# Allegro board S071AA-0413-20260427.brd (continued)
## Routing (per net, layer and track width the routed paths; a pad name or vN(x,y) marks a point on that pad's centre or on a via; arc(x,y) is an arc through that point) (continued)
; D427.B2 127.27,377.65 ; D427.B2 127.27,379.27 ; 129.81,359.87 CSDPS426.C1 ; CSDPS426.C1 130.62,360.68 ; CSDPS426.C1 129.81,361.49 ; CSDPS426.C1 129,360.68 ; 243.3,60.96 D107.B4 ; D107.B4 244.11,60.15 ; D107.B4 244.11,61.77 ; D107.B4 244.92,60.96 ; D231.A11 31.56,375.92 ; D231.A11 30.75,375.11 ; D231.A11 29.94,375.92 ; D231.A11 30.75,376.73 ; D107.B1 237.3,58.42 ; D107.B1 236.49,59.23 ; D107.B1 236.49,57.61 ; D107.B1 235.68,58.42 ; 16.07,348.29 UHC230.G4_12 ; UHC230.G4_12 16.88,347.48 ; UHC230.G4_12 17.69,348.29 ; UHC230.G4_12 16.88,349.1 ; 266.97,77.93 D106.B13 ; D106.B13 266.97,79.55 ; D106.B13 267.78,78.74 ; D106.B13 266.16,78.74 ; 256,350.52 D110.B9 ; D110.B9 256.81,349.71 ; D110.B9 256.81,351.33 ; D110.B9 257.62,350.52 ; 187.42,73.66 D102.A11 ; D102.A11 188.23,72.85 ; D102.A11 189.04,73.66 ; D102.A11 188.23,74.47 ; 48.17,365.45 UHC430.G2_1 ; UHC430.G2_1 48.98,366.26 ; UHC430.G2_1 49.79,365.45 ; UHC430.G2_1 48.98,364.64 ; D112.B6 264.43,389.43 ; D112.B6 263.62,388.62 ; D112.B6 265.24,388.62 ; D112.B6 264.43,387.81 ; D227.B6 117.11,369.11 ; D227.B6 116.3,368.3 ; D227.B6 117.92,368.3 ; D227.B6 117.11,367.49 ; 175.53,39.83 D104.B6 ; D104.B6 176.34,40.64 ; D104.B6 174.72,40.64 ; D104.B6 175.53,41.45 ; D108.B8 254.27,41.45 ; D108.B8 255.08,40.64 ; D108.B8 253.46,40.64 ; D108.B8 254.27,39.83 ; D232.B4 48.53,389.43 ; D232.B4 47.72,388.62 ; D232.B4 48.53,387.81 ; D232.B4 49.34,388.62 ; D105.B2 239.03,102.41 ; D105.B2 238.22,101.6 ; D105.B2 239.84,101.6 ; D105.B2 239.03,100.79 ; D427.B11 104.41,381.81 ; D427.B11 103.6,381 ; D427.B11 104.41,380.19 ; D427.B11 105.22,381 ; 190.77,372.57 D115.A6 ; D115.A6 189.96,373.38 ; D115.A6 190.77,374.19 ; D115.A6 191.58,373.38 ; D432.B10 34.1,398.78 ; D432.B10 33.29,399.59 ; D432.B10 32.48,398.78 ; D432.B10 33.29,397.97 ; CSDPS429.B12 29.02,342.9 ; CSDPS429.B12 27.4,342.9 ; CSDPS429.B12 28.21,343.71 ; CSDPS429.B12 28.21,342.09 ; D119.A10 38.37,56.69 ; D119.A10 37.56,55.88 ; D119.A10 39.18,55.88 ; D119.A10 38.37,55.07 ; UHC430.G2_5 45.53,364.51 ; UHC430.G2_5 46.34,363.7 ; UHC430.G2_5 45.53,362.89 ; UHC430.G2_5 44.72,363.7 ; 269.51,387.81 D112.B4 ; D112.B4 268.7,388.62 ; D112.B4 270.32,388.62 ; D112.B4 269.51,389.43 ; 273.78,353.06 D110.A2 ; D110.A2 274.59,352.25 ; D110.A2 274.59,353.87 ; D110.A2 275.4,353.06 ; D109.B1 277.94,330.2 ; D109.B1 277.13,329.39 ; D109.B1 276.32,330.2 ; D109.B1 277.13,331.01 ; D124.B15 124.73,38.91 ; D124.B15 125.54,38.1 ; D124.B15 124.73,37.29 ; D124.B15 123.92,38.1 ; 29.94,33.02 D120.A7 ; D120.A7 30.75,33.83 ; D120.A7 31.56,33.02 ; D120.A7 30.75,32.21 ; 122.19,331.93 CSDPS225.B4 ; CSDPS225.B4 121.38,332.74 ; CSDPS225.B4 122.19,333.55 ; CSDPS225.B4 123,332.74 ; D122.A11 114.57,74.47 ; D122.A11 114.57,72.85 ; D122.A11 113.76,73.66 ; D122.A11 115.38,73.66 ; 162.83,93.17 D101.A1 ; D101.A1 162.83,94.79 ; D101.A1 163.64,93.98 ; D101.A1 162.02,93.98 ; 30.75,385.27 D431.A11 ; D431.A11 29.94,386.08 ; D431.A11 30.75,386.89 ; D431.A11 31.56,386.08 ; D106.A11 262.7,73.66 ; D106.A11 261.89,74.47 ; D106.A11 261.08,73.66 ; D106.A11 261.89,72.85 ; D108.A13 267.78,33.02 ; D108.A13 266.97,33.83 ; D108.A13 266.16,33.02 ; D108.A13 266.97,32.21 ; D116.A8 185.69,394.51 ; D116.A8 186.5,393.7 ; D116.A8 185.69,392.89 ; D116.A8 184.88,393.7 ; D114.B11 178.88,350.52 ; D114.B11 178.07,351.33 ; D114.B11 178.07,349.71 ; D114.B11 177.26,350.52 ; 20.59,385.27 D431.A15 ; D431.A15 19.78,386.08 ; D431.A15 20.59,386.89 ; D431.A15 21.4,386.08 ; D107.B8 255.08,60.96 ; D107.B8 254.27,60.15 ; D107.B8 254.27,61.77 ; D107.B8 253.46,60.96 ; 121.38,378.46 D427.B4 ; D427.B4 123,378.46 ; D427.B4 122.19,377.65 ; D427.B4 122.19,379.27 ; CSDPS429.C15 21.4,340.36 ; CSDPS429.C15 20.59,339.55 ; CSDPS429.C15 19.78,340.36 ; CSDPS429.C15 20.59,341.17 ; 23.13,392.89 D232.A14 ; D232.A14 23.94,393.7 ; D232.A14 23.13,394.51 ; D232.A14 22.32,393.7 ; D228.A2 127.27,394.51 ; D228.A2 128.08,393.7 ; D228.A2 127.27,392.89 ; D228.A2 126.46,393.7 ; UHC430.G2_4 47.83,364.51 ; UHC430.G2_4 47.83,362.89 ; UHC430.G2_4 48.64,363.7 ; UHC430.G2_4 47.02,363.7 ; D431.B2 53.61,379.27 ; D431.B2 53.61,377.65 ; D431.B2 54.42,378.46 ; D431.B2 52.8,378.46 ; D231.B11 30.75,371.65 ; D231.B11 30.75,370.03 ; D231.B11 31.56,370.84 ; D231.B11 29.94,370.84 ; D227.B3 125.54,370.84 ; D227.B3 124.73,371.65 ; D227.B3 124.73,370.03 ; D227.B3 123.92,370.84 ; D227.A16 91.71,374.19 ; D227.A16 92.52,373.38 ; D227.A16 91.71,372.57 ; D227.A16 90.9,373.38 ; 261.08,19.05 DPS1.C11 ; DPS1.C11 261.89,19.86 ; DPS1.C11 262.7,19.05 ; DPS1.C11 261.89,18.24 ; 200.12,388.62 D116.B2 ; D116.B2 200.93,389.43 ; D116.B2 200.93,387.81 ; D116.B2 201.74,388.62 ; D104.A11 189.04,33.02 ; D104.A11 188.23,32.21 ; D104.A11 188.23,33.83 ; D104.A11 187.42,33.02 ; D110.A15 241.57,356.41 ; D110.A15 242.38,355.6 ; D110.A15 240.76,355.6 ; D110.A15 241.57,354.79 ; 94.25,359.87 CSDPS426.C15 ; CSDPS426.C15 94.25,361.49 ; CSDPS426.C15 93.44,360.68 ; CSDPS426.C15 95.06,360.68 ; D103.A10 186.5,55.88 ; D103.A10 184.88,55.88 ; D103.A10 185.69,55.07 ; D103.A10 185.69,56.69 ; UHC230.G4_10 15.73,350.85 ; UHC230.G4_10 14.92,350.04 ; UHC230.G4_10 15.73,349.23 ; UHC230.G4_10 16.54,350.04 ; 271.24,370.84 D111.B3 ; D111.B3 272.05,370.03 ; D111.B3 272.86,370.84 ; D111.B3 272.05,371.65 ; D120.B6 28.21,41.45 ; D120.B6 27.4,40.64 ; D120.B6 28.21,39.83 ; D120.B6 29.02,40.64 ; 45.99,370.03 D231.B5 ; D231.B5 46.8,370.84 ; D231.B5 45.99,371.65 ; D231.B5 45.18,370.84 ; D116.A13 172.99,397.05 ; D116.A13 173.8,396.24 ; D116.A13 172.18,396.24 ; D116.A13 172.99,395.43 ; 202.66,330.2 D113.B1 ; D113.B1 203.47,329.39 ; D113.B1 204.28,330.2 ; D113.B1 203.47,331.01 ; D105.B14 270.32,101.6 ; D105.B14 268.7,101.6 ; D105.B14 269.51,100.79 ; D105.B14 269.51,102.41 ; D111.A3 272.05,376.73 ; D111.A3 272.05,375.11 ; D111.A3 271.24,375.92 ; D111.A3 272.86,375.92 ; 99.33,405.59 D428.A13 ; D428.A13 99.33,407.21 ; D428.A13 98.52,406.4 ; D428.A13 100.14,406.4 ; 203.47,354.79 D114.A1 ; D114.A1 204.28,355.6 ; D114.A1 202.66,355.6 ; D114.A1 203.47,356.41 ; D124.A9 110.3,33.02 ; D124.A9 109.49,33.83 ; D124.A9 109.49,32.21 ; D124.A9 108.68,33.02 ; D228.B2 127.27,389.43 ; D228.B2 128.08,388.62 ; D228.B2 126.46,388.62 ; D228.B2 127.27,387.81 ; 96.79,75.39 D122.A4 ; D122.A4 97.6,76.2 ; D122.A4 95.98,76.2 ; D122.A4 96.79,77.01 ; D428.A12 102.68,403.86 ; D428.A12 101.87,403.05 ; D428.A12 101.06,403.86 ; D428.A12 101.87,404.67 ; D431.A7 41.72,386.08 ; D431.A7 40.1,386.08 ; D431.A7 40.91,386.89 ; D431.A7 40.91,385.27 ; 264.43,367.49 D111.B6 ; D111.B6 264.43,369.11 ; D111.B6 263.62,368.3 ; D111.B6 265.24,368.3 ; 15.51,72.85 D118.A1 ; D118.A1 16.32,73.66 ; D118.A1 14.7,73.66 ; D118.A1 15.51,74.47 ; 37.56,368.3 D231.B8 ; D231.B8 38.37,367.49 ; D231.B8 38.37,369.11 ; D231.B8 39.18,368.3 ; CSDPS229.B4 48.53,333.55 ; CSDPS229.B4 49.34,332.74 ; CSDPS229.B4 48.53,331.93 ; CSDPS229.B4 47.72,332.74 ; D231.A9 36.64,375.92 ; D231.A9 35.83,375.11 ; D231.A9 35.83,376.73 ; D231.A9 35.02,375.92 ; D105.B5 247.46,99.06 ; D105.B5 245.84,99.06 ; D105.B5 246.65,99.87 ; D105.B5 246.65,98.25 ; CSDPS425.C15 94.25,341.17 ; CSDPS425.C15 94.25,339.55 ; CSDPS425.C15 93.44,340.36 ; CSDPS425.C15 95.06,340.36 ; 53.61,342.09 CSDPS429.B2 ; CSDPS429.B2 52.8,342.9 ; CSDPS429.B2 54.42,342.9 ; CSDPS429.B2 53.61,343.71 ; 241.57,349.71 D110.B15 ; D110.B15 241.57,351.33 ; D110.B15 242.38,350.52 ; D110.B15 240.76,350.52 ; UHC230.G3_6 49.79,351.79 ; UHC230.G3_6 48.98,350.98 ; UHC230.G3_6 48.98,352.6 ; UHC230.G3_6 48.17,351.79 ; 127.27,372.57 D227.A2 ; D227.A2 127.27,374.19 ; D227.A2 126.46,373.38 ; D227.A2 128.08,373.38 ; 29.94,401.32 D432.B11 ; D432.B11 30.75,400.51 ; D432.B11 30.75,402.13 ; D432.B11 31.56,401.32 ; 200.12,55.88 D103.A16 ; D103.A16 200.93,56.69 ; D103.A16 200.93,55.07 ; D103.A16 201.74,55.88 ; D115.A3 198.39,376.73 ; D115.A3 197.58,375.92 ; D115.A3 199.2,375.92 ; D115.A3 198.39,375.11 ; 246.65,375.11 D111.A13 ; D111.A13 245.84,375.92 ; D111.A13 246.65,376.73 ; D111.A13 247.46,375.92 ; 180.61,326.85 D113.B10 ; D113.B10 181.42,327.66 ; D113.B10 179.8,327.66 ; D113.B10 180.61,328.47 ; 122.19,60.15 D123.B14 ; D123.B14 122.19,61.77 ; D123.B14 123,60.96 ; D123.B14 121.38,60.96 ; 108.68,350.52 CSDPS226.C9 ; CSDPS226.C9 109.49,351.33 ; CSDPS226.C9 109.49,349.71 ; CSDPS226.C9 110.3,350.52 ; 200.93,367.49 D115.B2 ; D115.B2 200.93,369.11 ; D115.B2 201.74,368.3 ; D115.B2 200.12,368.3 ; 254.27,80.47 D106.B8 ; D106.B8 254.27,82.09 ; D106.B8 255.08,81.28 ; D106.B8 253.46,81.28 ; D231.B14 23.13,369.11 ; D231.B14 23.13,367.49 ; D231.B14 23.94,368.3 ; D231.B14 22.32,368.3 ; D103.B13 193.31,59.23 ; D103.B13 193.31,57.61 ; D103.B13 194.12,58.42 ; D103.B13 192.5,58.42 ; D112.A15 241.57,397.05 ; D112.A15 240.76,396.24 ; D112.A15 242.38,396.24 ; D112.A15 241.57,395.43 ; CSDPS425.C11 104.41,341.17 ; CSDPS425.C11 105.22,340.36 ; CSDPS425.C11 103.6,340.36 ; CSDPS425.C11 104.41,339.55 ; D231.A5 45.99,376.73 ; D231.A5 45.18,375.92 ; D231.A5 46.8,375.92 ; D231.A5 45.99,375.11 ; 106.14,40.64 D124.B8 ; D124.B8 106.95,39.83 ; D124.B8 107.76,40.64 ; D124.B8 106.95,41.45 ; 250.92,99.06 D105.B7 ; D105.B7 251.73,99.87 ; D105.B7 251.73,98.25 ; D105.B7 252.54,99.06 ; 47.02,360.2 UHC430.G2_9 ; UHC430.G2_9 47.83,359.39 ; UHC430.G2_9 47.83,361.01 ; UHC430.G2_9 48.64,360.2 ; D432.B1 56.96,401.32 ; D432.B1 55.34,401.32 ; D432.B1 56.15,402.13 ; D432.B1 56.15,400.51 ; 172.18,78.74 D102.B5 ; D102.B5 172.99,79.55 ; D102.B5 173.8,78.74 ; D102.B5 172.99,77.93 ; D106.A2 239.84,76.2 ; D106.A2 239.03,77.01 ; D106.A2 239.03,75.39 ; D106.A2 238.22,76.2 ; 113.76,53.34 D123.A11 ; D123.A11 114.57,54.15 ; D123.A11 115.38,53.34 ; D123.A11 114.57,52.53 ; 248.38,96.52 D105.A6 ; D105.A6 249.19,95.71 ; D105.A6 250,96.52 ; D105.A6 249.19,97.33 ; D115.A14 171.26,373.38 ; D115.A14 170.45,372.57 ; D115.A14 169.64,373.38 ; D115.A14 170.45,374.19 ; D102.B15 198.39,79.55 ; D102.B15 199.2,78.74 ; D102.B15 198.39,77.93 ; D102.B15 197.58,78.74 ; D431.A14 23.94,383.54 ; D431.A14 23.13,384.35 ; D431.A14 23.13,382.73 ; D431.A14 22.32,383.54 ; 27.4,383.54 D431.A12 ; D431.A12 28.21,384.35 ; D431.A12 28.21,382.73 ; D431.A12 29.02,383.54 ; 101.87,367.49 D227.B12 ; D227.B12 101.87,369.11 ; D227.B12 101.06,368.3 ; D227.B12 102.68,368.3 ; D428.A10 107.76,403.86 ; D428.A10 106.95,404.67 ; D428.A10 106.14,403.86 ; D428.A10 106.95,403.05 ; 101.87,392.89 D228.A12 ; D228.A12 101.87,394.51 ; D228.A12 101.06,393.7 ; D228.A12 102.68,393.7 ; 198.39,32.21 D104.A15 ; D104.A15 198.39,33.83 ; D104.A15 199.2,33.02 ; D104.A15 197.58,33.02 ; D110.B14 244.11,348.79 ; D110.B14 244.11,347.17 ; D110.B14 244.92,347.98 ; D110.B14 243.3,347.98 ; D115.B15 168.72,370.84 ; D115.B15 167.91,371.65 ; D115.B15 167.91,370.03 ; D115.B15 167.1,370.84 ; D228.B5 120.46,391.16 ; D228.B5 119.65,390.35 ; D228.B5 118.84,391.16 ; D228.B5 119.65,391.97 ; D232.A11 30.75,397.05 ; D232.A11 29.94,396.24 ; D232.A11 30.75,395.43 ; D232.A11 31.56,396.24 ; 202.66,391.16 D116.B1 ; D116.B1 204.28,391.16 ; D116.B1 203.47,390.35 ; D116.B1 203.47,391.97 ; 124.73,380.19 D427.B3 ; D427.B3 125.54,381 ; D427.B3 124.73,381.81 ; D427.B3 123.92,381 ; 254.27,331.93 D109.A10 ; D109.A10 253.46,332.74 ; D109.A10 255.08,332.74 ; D109.A10 254.27,333.55 ; D227.A11 105.22,375.92 ; D227.A11 103.6,375.92 ; D227.A11 104.41,375.11 ; D227.A11 104.41,376.73 ; 266.16,53.34 D107.A13 ; D107.A13 266.97,52.53 ; D107.A13 267.78,53.34 ; D107.A13 266.97,54.15 ; D227.B15 94.25,371.65 ; D227.B15 93.44,370.84 ; D227.B15 95.06,370.84 ; D227.B15 94.25,370.03 ; D106.A8 254.27,77.01 ; D106.A8 253.46,76.2 ; D106.A8 255.08,76.2 ; D106.A8 254.27,75.39 ; D104.A12 191.58,35.56 ; D104.A12 190.77,34.75 ; D104.A12 190.77,36.37 ; D104.A12 189.96,35.56 ; 266.16,335.28 D109.A5 ; D109.A5 267.78,335.28 ; D109.A5 266.97,334.47 ; D109.A5 266.97,336.09 ; D108.B13 267.78,38.1 ; D108.B13 266.97,38.91 ; D108.B13 266.16,38.1 ; D108.B13 266.97,37.29 ; 121.38,398.78 D428.B4 ; D428.B4 122.19,397.97 ; D428.B4 122.19,399.59 ; D428.B4 123,398.78 ; D124.A8 107.76,35.56 ; D124.A8 106.14,35.56 ; D124.A8 106.95,36.37 ; D124.A8 106.95,34.75 ; 164.56,393.7 D116.A16 ; D116.A16 165.37,392.89 ; D116.A16 166.18,393.7 ; D116.A16 165.37,394.51 ; 19.78,391.16 D232.B15 ; D232.B15 20.59,391.97 ; D232.B15 20.59,390.35 ; D232.B15 21.4,391.16 ; 116.3,76.2 D122.A12 ; D122.A12 117.11,75.39 ; D122.A12 117.11,77.01 ; D122.A12 117.92,76.2 ; 24.86,370.84 D231.B13 ; D231.B13 26.48,370.84 ; D231.B13 25.67,370.03 ; D231.B13 25.67,371.65 ; D102.A13 193.31,74.47 ; D102.A13 192.5,73.66 ; D102.A13 194.12,73.66 ; D102.A13 193.31,72.85 ; D110.B1 277.94,350.52 ; D110.B1 277.13,351.33 ; D110.B1 276.32,350.52 ; D110.B1 277.13,349.71 ; 45.99,390.35 D232.B5 ; D232.B5 46.8,391.16 ; D232.B5 45.99,391.97 ; D232.B5 45.18,391.16 ; 261.89,354.79 D110.A7 ; D110.A7 262.7,355.6 ; D110.A7 261.89,356.41 ; D110.A7 261.08,355.6 ; D119.A13 46.8,53.34 ; D119.A13 45.99,54.15 ; D119.A13 45.99,52.53 ; D119.A13 45.18,53.34 ; 245.84,19.05 DPS1.C05 ; DPS1.C05 246.65,19.86 ; DPS1.C05 246.65,18.24 ; DPS1.C05 247.46,19.05 ; 200.93,75.39 D102.A16 ; D102.A16 200.12,76.2 ; D102.A16 200.93,77.01 ; D102.A16 201.74,76.2 ; 174.72,60.96 D103.B6 ; D103.B6 176.34,60.96 ; D103.B6 175.53,61.77 ; D103.B6 175.53,60.15 ; 269.51,80.47 D106.B14 ; D106.B14 270.32,81.28 ; D106.B14 268.7,81.28 ; D106.B14 269.51,82.09 ; CSDPS229.B8 38.37,333.55 ; CSDPS229.B8 37.56,332.74 ; CSDPS229.B8 39.18,332.74 ; CSDPS229.B8 38.37,331.93 ; D113.B5 193.31,331.01 ; D113.B5 193.31,329.39 ; D113.B5 194.12,330.2 ; D113.B5 192.5,330.2 ; 182.34,38.1 D104.B9 ; D104.B9 183.15,37.29 ; D104.B9 183.96,38.1 ; D104.B9 183.15,38.91 ; 46.68,361.14 UHC430.G2 ; UHC430.G2 47.49,361.95 ; UHC430.G2 46.68,362.76 ; UHC430.G2 45.87,361.95 ; 37.56,378.46 D431.B8 ; D431.B8 38.37,377.65 ; D431.B8 38.37,379.27 ; D431.B8 39.18,378.46 ; D119.A14 48.53,56.69 ; D119.A14 47.72,55.88 ; D119.A14 49.34,55.88 ; D119.A14 48.53,55.07 ; D104.B3 167.91,38.91 ; D104.B3 167.91,37.29 ; D104.B3 167.1,38.1 ; D104.B3 168.72,38.1 ; 256,93.98 D105.A9 ; D105.A9 256.81,94.79 ; D105.A9 256.81,93.17 ; D105.A9 257.62,93.98 ; D104.A13 194.12,33.02 ; D104.A13 192.5,33.02 ; D104.A13 193.31,33.83 ; D104.A13 193.31,32.21 ; 99.33,349.71 CSDPS226.C13 ; CSDPS226.C13 99.33,351.33 ; CSDPS226.C13 98.52,350.52 ; CSDPS226.C13 100.14,350.52 ; D121.A1 89.17,94.79 ; D121.A1 89.17,93.17 ; D121.A1 88.36,93.98 ; D121.A1 89.98,93.98 ; CSDPS225.B16 92.52,332.74 ; CSDPS225.B16 90.9,332.74 ; CSDPS225.B16 91.71,331.93 ; CSDPS225.B16 91.71,333.55 ; D111.A4 269.51,374.19 ; D111.A4 269.51,372.57 ; D111.A4 268.7,373.38 ; D111.A4 270.32,373.38 ; 121.38,373.38 D227.A4 ; D227.A4 122.19,372.57 ; D227.A4 123,373.38 ; D227.A4 122.19,374.19 ; D103.A14 195.85,56.69 ; D103.A14 195.04,55.88 ; D103.A14 195.85,55.07 ; D103.A14 196.66,55.88 ; D428.B1 129.81,402.13 ; D428.B1 129.81,400.51 ; D428.B1 130.62,401.32 ; D428.B1 129,401.32 ; 200.12,332.74 D113.A2 ; D113.A2 201.74,332.74 ; D113.A2 200.93,331.93 ; D113.A2 200.93,333.55 ; D431.B3 51.88,381 ; D431.B3 51.07,380.19 ; D431.B3 51.07,381.81 ; D431.B3 50.26,381 ; D431.B15 21.4,381 ; D431.B15 20.59,381.81 ; D431.B15 20.59,380.19 ; D431.B15 19.78,381 ; CSDPS426.B6 117.11,364.03 ; CSDPS426.B6 117.11,362.41 ; CSDPS426.B6 117.92,363.22 ; CSDPS426.B6 116.3,363.22 ; 239.03,95.71 D105.A2 ; D105.A2 238.22,96.52 ; D105.A2 239.84,96.52 ; D105.A2 239.03,97.33 ; D428.B14 96.79,399.59 ; D428.B14 96.79,397.97 ; D428.B14 97.6,398.78 ; D428.B14 95.98,398.78 ; 271.24,73.66 D106.A15 ; D106.A15 272.86,73.66 ; D106.A15 272.05,74.47 ; D106.A15 272.05,72.85 ; 124.73,339.55 CSDPS425.C3 ; CSDPS425.C3 123.92,340.36 ; CSDPS425.C3 125.54,340.36 ; CSDPS425.C3 124.73,341.17 ; 16.07,351.79 UHC230.G4 ; UHC230.G4 17.69,351.79 ; UHC230.G4 16.88,350.98 ; UHC230.G4 16.88,352.6 ; 200.12,101.6 D101.B16 ; D101.B16 200.93,100.79 ; D101.B16 201.74,101.6 ; D101.B16 200.93,102.41 ; D113.B7 189.04,330.2 ; D113.B7 188.23,329.39 ; D113.B7 187.42,330.2 ; D113.B7 188.23,331.01 ; 274.59,95.71 D105.A16 ; D105.A16 274.59,97.33 ; D105.A16 275.4,96.52 ; D105.A16 273.78,96.52 ; D232.B14 23.13,389.43 ; D232.B14 23.13,387.81 ; D232.B14 23.94,388.62 ; D232.B14 22.32,388.62 ; D121.A7 104.41,94.79 ; D121.A7 105.22,93.98 ; D121.A7 103.6,93.98 ; D121.A7 104.41,93.17 ; 43.57,361.95 UHC430.G2_8 ; UHC430.G2_8 44.38,362.76 ; UHC430.G2_8 44.38,361.14 ; UHC430.G2_8 45.19,361.95 ; 29.94,330.2 CSDPS229.C11 ; CSDPS229.C11 30.75,329.39 ; CSDPS229.C11 30.75,331.01 ; CSDPS229.C11 31.56,330.2 ; 96.79,382.73 D427.A14 ; D427.A14 95.98,383.54 ; D427.A14 96.79,384.35 ; D427.A14 97.6,383.54 ; 244.11,372.57 D111.A14 ; D111.A14 244.92,373.38 ; D111.A14 244.11,374.19 ; D111.A14 243.3,373.38 ; D104.B13 193.31,38.91 ; D104.B13 193.31,37.29 ; D104.B13 194.12,38.1 ; D104.B13 192.5,38.1 ; D113.B4 196.66,327.66 ; D113.B4 195.85,328.47 ; D113.B4 195.85,326.85 ; D113.B4 195.04,327.66 ; 177.26,391.16 D116.B11 ; D116.B11 178.07,390.35 ; D116.B11 178.07,391.97 ; D116.B11 178.88,391.16 ; D124.B2 92.52,40.64 ; D124.B2 90.9,40.64 ; D124.B2 91.71,41.45 ; D124.B2 91.71,39.83 ; D109.B14 244.11,328.47 ; D109.B14 244.92,327.66 ; D109.B14 243.3,327.66 ; D109.B14 244.11,326.85 ; 264.43,372.57 D111.A6 ; D111.A6 265.24,373.38 ; D111.A6 263.62,373.38 ; D111.A6 264.43,374.19 ; D231.B9 36.64,370.84 ; D231.B9 35.83,370.03 ; D231.B9 35.02,370.84 ; D231.B9 35.83,371.65 ; D119.A12 43.45,56.69 ; D119.A12 43.45,55.07 ; D119.A12 44.26,55.88 ; D119.A12 42.64,55.88 ; D105.A15 272.05,94.79 ; D105.A15 272.05,93.17 ; D105.A15 272.86,93.98 ; D105.A15 271.24,93.98 ; 245.84,350.52 D110.B13 ; D110.B13 246.65,349.71 ; D110.B13 247.46,350.52 ; D110.B13 246.65,351.33 ; D123.A6 101.87,56.69 ; D123.A6 101.87,55.07 ; D123.A6 102.68,55.88 ; D123.A6 101.06,55.88 ; D102.A8 180.61,77.01 ; D102.A8 179.8,76.2 ; D102.A8 180.61,75.39 ; D102.A8 181.42,76.2 ; 17.24,403.86 D432.A16 ; D432.A16 18.05,403.05 ; D432.A16 18.05,404.67 ; D432.A16 18.86,403.86 ; 101.06,60.96 D123.B6 ; D123.B6 101.87,60.15 ; D123.B6 102.68,60.96 ; D123.B6 101.87,61.77 ; CSDPS426.C5 120.46,360.68 ; CSDPS426.C5 119.65,361.49 ; CSDPS426.C5 118.84,360.68 ; CSDPS426.C5 119.65,359.87 ; UHC230.G3_4 47.83,354.35 ; UHC230.G3_4 47.02,353.54 ; UHC230.G3_4 47.83,352.73 ; UHC230.G3_4 48.64,353.54 ; D110.B4 269.51,348.79 ; D110.B4 268.7,347.98 ; D110.B4 269.51,347.17 ; D110.B4 270.32,347.98 ; CSDPS226.B10 107.76,353.06 ; CSDPS226.B10 106.14,353.06 ; CSDPS226.B10 106.95,352.25 ; CSDPS226.B10 106.95,353.87 ; 116.3,96.52 D121.A12 ; D121.A12 117.92,96.52 ; D121.A12 117.11,95.71 ; D121.A12 117.11,97.33 ; D120.B9 35.83,38.91 ; D120.B9 35.83,37.29 ; D120.B9 36.64,38.1 ; D120.B9 35.02,38.1 ; 89.17,385.27 D427.A17 ; D427.A17 89.98,386.08 ; D427.A17 89.17,386.89 ; D427.A17 88.36,386.08 ; D228.B4 122.19,389.43 ; D228.B4 122.19,387.81 ; D228.B4 121.38,388.62 ; D228.B4 123,388.62 ; 198.39,354.79 D114.A3 ; D114.A3 198.39,356.41 ; D114.A3 199.2,355.6 ; D114.A3 197.58,355.6 ; D109.B2 275.4,327.66 ; D109.B2 274.59,326.85 ; D109.B2 274.59,328.47 ; D109.B2 273.78,327.66 ; 243.3,368.3 D111.B14 ; D111.B14 244.11,369.11 ; D111.B14 244.11,367.49 ; D111.B14 244.92,368.3 ; 89.17,98.25 D121.B1 ; D121.B1 89.98,99.06 ; D121.B1 88.36,99.06 ; D121.B1 89.17,99.87 ; D106.B15 272.05,79.55 ; D106.B15 272.05,77.93 ; D106.B15 271.24,78.74 ; D106.B15 272.86,78.74 ; D431.B11 30.75,381.81 ; D431.B11 29.94,381 ; D431.B11 31.56,381 ; D431.B11 30.75,380.19 ; 200.12,81.28 D102.B16 ; D102.B16 200.93,82.09 ; D102.B16 200.93,80.47 ; D102.B16 201.74,81.28 ; D124.A11 115.38,33.02 ; D124.A11 114.57,32.21 ; D124.A11 114.57,33.83 ; D124.A11 113.76,33.02 ; D427.B5 119.65,381.81 ; D427.B5 119.65,380.19 ; D427.B5 118.84,381 ; D427.B5 120.46,381 ; D110.B11 251.73,351.33 ; D110.B11 251.73,349.71 ; D110.B11 252.54,350.52 ; D110.B11 250.92,350.52 ; D111.A11 251.73,376.73 ; D111.A11 250.92,375.92 ; D111.A11 251.73,375.11 ; D111.A11 252.54,375.92 ; DPS2.A11 178.88,415.29 ; DPS2.A11 177.26,415.29 ; DPS2.A11 178.07,416.1 ; DPS2.A11 178.07,414.48 ; 192.5,370.84 D115.B5 ; D115.B5 193.31,371.65 ; D115.B5 193.31,370.03 ; D115.B5 194.12,370.84 ; 251.73,93.17 D105.A7 ; D105.A7 251.73,94.79 ; D105.A7 252.54,93.98 ; D105.A7 250.92,93.98 ; 38.37,387.81 D232.B8 ; D232.B8 37.56,388.62 ; D232.B8 39.18,388.62 ; D232.B8 38.37,389.43 ; 108.68,93.98 D121.A9 ; D121.A9 109.49,93.17 ; D121.A9 109.49,94.79 ; D121.A9 110.3,93.98 ; D124.A7 104.41,33.83 ; D124.A7 105.22,33.02 ; D124.A7 104.41,32.21 ; D124.A7 103.6,33.02 ; DPS3.B01 89.17,17.32 ; DPS3.B01 89.98,16.51 ; DPS3.B01 88.36,16.51 ; DPS3.B01 89.17,15.7 ; 245.84,93.98 D105.A5 ; D105.A5 246.65,93.17 ; D105.A5 246.65,94.79 ; D105.A5 247.46,93.98 ; CSDPS226.C7 115.38,350.52 ; CSDPS226.C7 114.57,349.71 ; CSDPS226.C7 114.57,351.33 ; CSDPS226.C7 113.76,350.52 ; 249.19,352.25 D110.A12 ; D110.A12 248.38,353.06 ; D110.A12 250,353.06 ; D110.A12 249.19,353.87 ; 124.73,329.39 CSDPS225.C3 ; CSDPS225.C3 125.54,330.2 ; CSDPS225.C3 124.73,331.01 ; CSDPS225.C3 123.92,330.2 ; 264.43,352.25 D110.A6 ; D110.A6 265.24,353.06 ; D110.A6 264.43,353.87 ; D110.A6 263.62,353.06 ; D105.B16 274.59,102.41 ; D105.B16 275.4,101.6 ; D105.B16 273.78,101.6 ; D105.B16 274.59,100.79 ; D107.B3 242.38,58.42 ; D107.B3 241.57,57.61 ; D107.B3 241.57,59.23 ; D107.B3 240.76,58.42 ; D123.A13 119.65,54.15 ; D123.A13 118.84,53.34 ; D123.A13 120.46,53.34 ; D123.A13 119.65,52.53 ; D431.B6 43.45,379.27 ; D431.B6 44.26,378.46 ; D431.B6 43.45,377.65 ; D431.B6 42.64,378.46 ; 164.56,332.74 D113.A16 ; D113.A16 166.18,332.74 ; D113.A16 165.37,333.55 ; D113.A16 165.37,331.93 ; D108.A8 254.27,36.37 ; D108.A8 255.08,35.56 ; D108.A8 254.27,34.75 ; D108.A8 253.46,35.56 ; 17.24,373.38 D231.A16 ; D231.A16 18.05,372.57 ; D231.A16 18.05,374.19 ; D231.A16 18.86,373.38 ; D107.B15 272.05,59.23 ; D107.B15 272.05,57.61 ; D107.B15 272.86,58.42 ; D107.B15 271.24,58.42 ; D231.A6 44.26,373.38 ; D231.A6 43.45,372.57 ; D231.A6 42.64,373.38 ; D231.A6 43.45,374.19 ; D116.B12 176.34,388.62 ; D116.B12 175.53,387.81 ; D116.B12 174.72,388.62 ; D116.B12 175.53,389.43 ; 244.11,80.47 D106.B4 ; D106.B4 244.92,81.28 ; D106.B4 244.11,82.09 ; D106.B4 243.3,81.28 ; D120.B7 31.56,38.1 ; D120.B7 30.75,38.91 ; D120.B7 29.94,38.1 ; D120.B7 30.75,37.29 ; D114.B12 175.53,348.79 ; D114.B12 174.72,347.98 ; D114.B12 176.34,347.98 ; D114.B12 175.53,347.17 ; 113.76,19.05 DPS3.C11 ; DPS3.C11 114.57,18.24 ; DPS3.C11 115.38,19.05 ; DPS3.C11 114.57,19.86 ; DPS1.A11 261.89,14.78 ; DPS1.A11 261.89,13.16 ; DPS1.A11 261.08,13.97 ; DPS1.A11 262.7,13.97 ; 119.65,98.25 D121.B13 ; D121.B13 119.65,99.87 ; D121.B13 120.46,99.06 ; D121.B13 118.84,99.06 ; 165.37,326.85 D113.B16 ; D113.B16 166.18,327.66 ; D113.B16 164.56,327.66 ; D113.B16 165.37,328.47 ; D228.A8 112.84,393.7 ; D228.A8 112.03,394.51 ; D228.A8 111.22,393.7 ; D228.A8 112.03,392.89 ; 243.3,55.88 D107.A4 ; D107.A4 244.92,55.88 ; D107.A4 244.11,55.07 ; D107.A4 244.11,56.69 ; D113.A3 199.2,335.28 ; D113.A3 198.39,334.47 ; D113.A3 197.58,335.28 ; D113.A3 198.39,336.09 ; D102.A9 183.96,73.66 ; D102.A9 182.34,73.66 ; D102.A9 183.15,72.85 ; D102.A9 183.15,74.47 ; 189.96,393.7 D116.A6 ; D116.A6 190.77,394.51 ; D116.A6 191.58,393.7 ; D116.A6 190.77,392.89 ; D121.B3 94.25,99.87 ; D121.B3 94.25,98.25 ; D121.B3 95.06,99.06 ; D121.B3 93.44,99.06 ; DPS1.A15 272.86,13.97 ; DPS1.A15 272.05,13.16 ; DPS1.A15 272.05,14.78 ; DPS1.A15 271.24,13.97 ; D114.B5 193.31,351.33 ; D114.B5 192.5,350.52 ; D114.B5 194.12,350.52 ; D114.B5 193.31,349.71 ; DPS2.B01 204.28,412.75 ; DPS2.B01 202.66,412.75 ; DPS2.B01 203.47,413.56 ; DPS2.B01 203.47,411.94 ; 96.79,403.05 D428.A14 ; D428.A14 96.79,404.67 ; D428.A14 95.98,403.86 ; D428.A14 97.6,403.86 ; DPS3.B11 114.57,17.32 ; DPS3.B11 115.38,16.51 ; DPS3.B11 113.76,16.51 ; DPS3.B11 114.57,15.7 ; 48.53,60.15 D119.B14 ; D119.B14 49.34,60.96 ; D119.B14 47.72,60.96 ; D119.B14 48.53,61.77 ; 184.88,35.56 D104.A10 ; D104.A10 186.5,35.56 ; D104.A10 185.69,34.75 ; D104.A10 185.69,36.37 ; D231.A1 56.96,375.92 ; D231.A1 56.15,375.11 ; D231.A1 56.15,376.73 ; D231.A1 55.34,375.92 ; D119.B2 18.86,60.96 ; D119.B2 18.05,60.15 ; D119.B2 17.24,60.96 ; D119.B2 18.05,61.77 ; 235.68,93.98 D105.A1 ; D105.A1 236.49,93.17 ; D105.A1 236.49,94.79 ; D105.A1 237.3,93.98 ; 89.17,72.85 D122.A1 ; D122.A1 88.36,73.66 ; D122.A1 89.17,74.47 ; D122.A1 89.98,73.66 ; 193.31,93.17 D101.A13 ; D101.A13 194.12,93.98 ; D101.A13 192.5,93.98 ; D101.A13 193.31,94.79 ; D122.B5 100.14,78.74 ; D122.B5 99.33,79.55 ; D122.B5 99.33,77.93 ; D122.B5 98.52,78.74 ; 19.78,370.84 D231.B15 ; D231.B15 20.59,371.65 ; D231.B15 20.59,370.03 ; D231.B15 21.4,370.84 ; 94.25,93.17 D121.A3 ; D121.A3 94.25,94.79 ; D121.A3 95.06,93.98 ; D121.A3 93.44,93.98 ; D227.A7 115.38,375.92 ; D227.A7 114.57,376.73 ; D227.A7 113.76,375.92 ; D227.A7 114.57,375.11 ; 40.91,329.39 CSDPS229.C7 ; CSDPS229.C7 40.91,331.01 ; CSDPS229.C7 40.1,330.2 ; CSDPS229.C7 41.72,330.2 ; 109.49,329.39 CSDPS225.C9 ; CSDPS225.C9 108.68,330.2 ; CSDPS225.C9 110.3,330.2 ; CSDPS225.C9 109.49,331.01 ; D227.B8 112.84,368.3 ; D227.B8 112.03,367.49 ; D227.B8 112.03,369.11 ; D227.B8 111.22,368.3 ; D122.A15 125.54,73.66 ; D122.A15 123.92,73.66 ; D122.A15 124.73,72.85 ; D122.A15 124.73,74.47 ; 52.8,403.86 D432.A2 ; D432.A2 54.42,403.86 ; D432.A2 53.61,403.05 ; D432.A2 53.61,404.67 ; D105.B9 256.81,99.87 ; D105.B9 257.62,99.06 ; D105.B9 256,99.06 ; D105.B9 256.81,98.25 ; D120.B5 25.67,38.91 ; D120.B5 25.67,37.29 ; D120.B5 26.48,38.1 ; D120.B5 24.86,38.1 ; 90.9,363.22 CSDPS426.B16 ; CSDPS426.B16 92.52,363.22 ; CSDPS426.B16 91.71,362.41 ; CSDPS426.B16 91.71,364.03 ; 175.53,372.57 D115.A12 ; D115.A12 176.34,373.38 ; D115.A12 174.72,373.38 ; D115.A12 175.53,374.19 ; 95.98,55.88 D123.A4 ; D123.A4 97.6,55.88 ; D123.A4 96.79,56.69 ; D123.A4 96.79,55.07 ; 195.04,96.52 D101.A14 ; D101.A14 195.85,97.33 ; D101.A14 195.85,95.71 ; D101.A14 196.66,96.52 ; CSDPS229.C1 56.96,330.2 ; CSDPS229.C1 56.15,331.01 ; CSDPS229.C1 55.34,330.2 ; CSDPS229.C1 56.15,329.39 ; 250.92,396.24 D112.A11 ; D112.A11 251.73,397.05 ; D112.A11 251.73,395.43 ; D112.A11 252.54,396.24 ; D107.A5 246.65,54.15 ; D107.A5 245.84,53.34 ; D107.A5 246.65,52.53 ; D107.A5 247.46,53.34 ; UHC230.G4_8 15.39,351.79 ; UHC230.G4_8 14.58,352.6 ; UHC230.G4_8 14.58,350.98 ; UHC230.G4_8 13.77,351.79 ; 172.99,52.53 D103.A5 ; D103.A5 172.99,54.15 ; D103.A5 173.8,53.34 ; D103.A5 172.18,53.34 ; 239.03,367.49 D111.B16 ; D111.B16 238.22,368.3 ; D111.B16 239.03,369.11 ; D111.B16 239.84,368.3 ; 22.32,403.86 D432.A14 ; D432.A14 23.13,404.67 ; D432.A14 23.13,403.05 ; D432.A14 23.94,403.86 ; DPS2.C11 178.07,411.02 ; DPS2.C11 177.26,410.21 ; DPS2.C11 178.07,409.4 ; DPS2.C11 178.88,410.21 ; D111.A1 277.13,376.73 ; D111.A1 276.32,375.92 ; D111.A1 277.13,375.11 ; D111.A1 277.94,375.92 ; 264.43,326.85 D109.B6 ; D109.B6 265.24,327.66 ; D109.B6 264.43,328.47 ; D109.B6 263.62,327.66 ; D431.B5 46.8,381 ; D431.B5 45.99,380.19 ; D431.B5 45.99,381.81 ; D431.B5 45.18,381 ; 50.26,38.1 D120.B15 ; D120.B15 51.07,37.29 ; D120.B15 51.07,38.91 ; D120.B15 51.88,38.1 ; D103.A6 175.53,56.69 ; D103.A6 175.53,55.07 ; D103.A6 174.72,55.88 ; D103.A6 176.34,55.88 ; D103.B11 188.23,59.23 ; D103.B11 188.23,57.61 ; D103.B11 189.04,58.42 ; D103.B11 187.42,58.42 ; 94.25,329.39 CSDPS225.C15 ; CSDPS225.C15 93.44,330.2 ; CSDPS225.C15 94.25,331.01 ; CSDPS225.C15 95.06,330.2 ; D112.B14 244.92,388.62 ; D112.B14 243.3,388.62 ; D112.B14 244.11,387.81 ; D112.B14 244.11,389.43 ; D110.A9 257.62,355.6 ; D110.A9 256.81,354.79 ; D110.A9 256.81,356.41 ; D110.A9 256,355.6 ; 116.3,40.64 D124.B12 ; D124.B12 117.11,41.45 ; D124.B12 117.11,39.83 ; D124.B12 117.92,40.64 ; D105.B13 266.97,99.87 ; D105.B13 267.78,99.06 ; D105.B13 266.16,99.06 ; D105.B13 266.97,98.25 ; 277.13,390.35 D112.B1 ; D112.B1 276.32,391.16 ; D112.B1 277.13,391.97 ; D112.B1 277.94,391.16 ; DPS3.C05 99.33,19.86 ; DPS3.C05 99.33,18.24 ; DPS3.C05 100.14,19.05 ; DPS3.C05 98.52,19.05 ; DPS2.B15 167.91,413.56 ; DPS2.B15 168.72,412.75 ; DPS2.B15 167.1,412.75 ; DPS2.B15 167.91,411.94 ; 273.78,60.96 D107.B16 ; D107.B16 274.59,61.77 ; D107.B16 275.4,60.96 ; D107.B16 274.59,60.15 ; 113.76,99.06 D121.B11 ; D121.B11 114.57,98.25 ; D121.B11 114.57,99.87 ; D121.B11 115.38,99.06 ; D103.B2 166.18,60.96 ; D103.B2 165.37,61.77 ; D103.B2 165.37,60.15 ; D103.B2 164.56,60.96 ; D104.A3 167.91,33.83 ; D104.A3 168.72,33.02 ; D104.A3 167.1,33.02 ; D104.A3 167.91,32.21 ; 189.96,55.88 D103.A12 ; D103.A12 191.58,55.88 ; D103.A12 190.77,56.69 ; D103.A12 190.77,55.07 ; D108.A11 261.89,33.83 ; D108.A11 261.89,32.21 ; D108.A11 262.7,33.02 ; D108.A11 261.08,33.02 ; 96.79,100.79 D121.B4 ; D121.B4 97.6,101.6 ; D121.B4 96.79,102.41 ; D121.B4 95.98,101.6 ; 51.07,52.53 D119.A15 ; D119.A15 51.07,54.15 ; D119.A15 51.88,53.34 ; D119.A15 50.26,53.34 ; 266.16,370.84 D111.B5 ; D111.B5 267.78,370.84 ; D111.B5 266.97,371.65 ; D111.B5 266.97,370.03 ; D232.B11 30.75,391.97 ; D232.B11 31.56,391.16 ; D232.B11 30.75,390.35 ; D232.B11 29.94,391.16 ; 106.14,81.28 D122.B8 ; D122.B8 106.95,82.09 ; D122.B8 106.95,80.47 ; D122.B8 107.76,81.28 ; 108.68,370.84 D227.B9 ; D227.B9 109.49,371.65 ; D227.B9 110.3,370.84 ; D227.B9 109.49,370.03 ; 172.99,349.71 D114.B13 ; D114.B13 173.8,350.52 ; D114.B13 172.18,350.52 ; D114.B13 172.99,351.33 ; 22.32,55.88 D119.A4 ; D119.A4 23.13,56.69 ; D119.A4 23.94,55.88 ; D119.A4 23.13,55.07 ; 249.19,55.07 D107.A6 ; D107.A6 248.38,55.88 ; D107.A6 250,55.88 ; D107.A6 249.19,56.69 ; 106.95,100.79 D121.B8 ; D121.B8 106.95,102.41 ; D121.B8 106.14,101.6 ; D121.B8 107.76,101.6 ; D103.B16 200.93,61.77 ; D103.B16 200.12,60.96 ; D103.B16 201.74,60.96 ; D103.B16 200.93,60.15 ; 28.21,372.57 D231.A12 ; D231.A12 27.4,373.38 ; D231.A12 28.21,374.19 ; D231.A12 29.02,373.38 ; 129.81,385.27 D427.A1 ; D427.A1 129.81,386.89 ; D427.A1 129,386.08 ; D427.A1 130.62,386.08 ; 241.57,77.93 D106.B3 ; D106.B3 240.76,78.74 ; D106.B3 241.57,79.55 ; D106.B3 242.38,78.74 ; D102.A15 199.2,73.66 ; D102.A15 198.39,74.47 ; D102.A15 198.39,72.85 ; D102.A15 197.58,73.66 ; CSDPS225.C11 105.22,330.2 ; CSDPS225.C11 104.41,331.01 ; CSDPS225.C11 103.6,330.2 ; CSDPS225.C11 104.41,329.39 ; D109.B7 262.7,330.2 ; D109.B7 261.08,330.2 ; D109.B7 261.89,331.01 ; D109.B7 261.89,329.39 ; D106.B5 246.65,79.55 ; D106.B5 245.84,78.74 ; D106.B5 247.46,78.74 ; D106.B5 246.65,77.93 ; 113.76,386.08 D427.A7 ; D427.A7 114.57,386.89 ; D427.A7 114.57,385.27 ; D427.A7 115.38,386.08 ; 28.21,392.89 D232.A12 ; D232.A12 29.02,393.7 ; D232.A12 28.21,394.51 ; D232.A12 27.4,393.7 ; D112.A7 261.89,397.05 ; D112.A7 261.08,396.24 ; D112.A7 262.7,396.24 ; D112.A7 261.89,395.43 ; D228.A3 125.54,396.24 ; D228.A3 123.92,396.24 ; D228.A3 124.73,397.05 ; D228.A3 124.73,395.43 ; 35.02,33.02 D120.A9 ; D120.A9 35.83,32.21 ; D120.A9 35.83,33.83 ; D120.A9 36.64,33.02 ; 272.05,390.35 D112.B3 ; D112.B3 271.24,391.16 ; D112.B3 272.86,391.16 ; D112.B3 272.05,391.97 ; 112.03,397.97 D428.B8 ; D428.B8 112.84,398.78 ; D428.B8 112.03,399.59 ; D428.B8 111.22,398.78 ; 114.57,400.51 D428.B7 ; D428.B7 113.76,401.32 ; D428.B7 114.57,402.13 ; D428.B7 115.38,401.32 ; 129.81,370.03 D227.B1 ; D227.B1 129,370.84 ; D227.B1 129.81,371.65 ; D227.B1 130.62,370.84 ; D116.A14 171.26,393.7 ; D116.A14 170.45,394.51 ; D116.A14 170.45,392.89 ; D116.A14 169.64,393.7 ; DPS8.B15 20.59,413.56 ; DPS8.B15 21.4,412.75 ; DPS8.B15 19.78,412.75 ; DPS8.B15 20.59,411.94 ; D227.A5 120.46,375.92 ; D227.A5 119.65,376.73 ; D227.A5 119.65,375.11 ; D227.A5 118.84,375.92 ; D111.A5 266.97,376.73 ; D111.A5 266.97,375.11 ; D111.A5 267.78,375.92 ; D111.A5 266.16,375.92 ; D104.B12 190.77,41.45 ; D104.B12 189.96,40.64 ; D104.B12 190.77,39.83 ; D104.B12 191.58,40.64 ; D120.B12 43.45,41.45 ; D120.B12 43.45,39.83 ; D120.B12 42.64,40.64 ; D120.B12 44.26,40.64 ; D116.B5 193.31,391.97 ; D116.B5 193.31,390.35 ; D116.B5 194.12,391.16 ; D116.B5 192.5,391.16 ; UHC230.G3_13 45.19,348.29 ; UHC230.G3_13 43.57,348.29 ; UHC230.G3_13 44.38,349.1 ; UHC230.G3_13 44.38,347.48 ; 15.73,362.89 UHC430.G1_5 ; UHC430.G1_5 14.92,363.7 ; UHC430.G1_5 15.73,364.51 ; UHC430.G1_5 16.54,363.7 ; 18.03,352.73 UHC230.G4_4 ; UHC230.G4_4 17.22,353.54 ; UHC230.G4_4 18.03,354.35 ; UHC230.G4_4 18.84,353.54 ; D116.B3 199.2,391.16 ; D116.B3 198.39,390.35 ; D116.B3 198.39,391.97 ; D116.B3 197.58,391.16 ; DPS8.B11 30.75,413.56 ; DPS8.B11 30.75,411.94 ; DPS8.B11 29.94,412.75 ; DPS8.B11 31.56,412.75 ; D108.A2 239.03,36.37 ; D108.A2 239.84,35.56 ; D108.A2 238.22,35.56 ; D108.A2 239.03,34.75 ; D231.B1 56.15,371.65 ; D231.B1 56.15,370.03 ; D231.B1 55.34,370.84 ; D231.B1 56.96,370.84 ; D120.A10 39.18,35.56 ; D120.A10 37.56,35.56 ; D120.A10 38.37,34.75 ; D120.A10 38.37,36.37 ; 90.9,96.52 D121.A2 ; D121.A2 91.71,97.33 ; D121.A2 91.71,95.71 ; D121.A2 92.52,96.52 ; D231.B12 28.21,369.11 ; D231.B12 27.4,368.3 ; D231.B12 29.02,368.3 ; D231.B12 28.21,367.49 ; D111.B4 270.32,368.3 ; D111.B4 269.51,367.49 ; D111.B4 268.7,368.3 ; D111.B4 269.51,369.11 ; 195.04,332.74 D113.A4 ; D113.A4 195.85,331.93 ; D113.A4 196.66,332.74 ; D113.A4 195.85,333.55 ; 172.18,355.6 D114.A13 ; D114.A13 172.99,356.41 ; D114.A13 172.99,354.79 ; D114.A13 173.8,355.6 ; 258.54,353.06 D110.A8 ; D110.A8 259.35,353.87 ; D110.A8 259.35,352.25 ; D110.A8 260.16,353.06 ; D114.A7 189.04,355.6 ; D114.A7 188.23,354.79 ; D114.A7 187.42,355.6 ; D114.A7 188.23,356.41 ; D123.A14 122.19,56.69 ; D123.A14 121.38,55.88 ; D123.A14 122.19,55.07 ; D123.A14 123,55.88 ; D108.A16 275.4,35.56 ; D108.A16 273.78,35.56 ; D108.A16 274.59,34.75 ; D108.A16 274.59,36.37 ; D119.B7 31.56,58.42 ; D119.B7 29.94,58.42 ; D119.B7 30.75,57.61 ; D119.B7 30.75,59.23 ; D113.A10 180.61,333.55 ; D113.A10 181.42,332.74 ; D113.A10 179.8,332.74 ; D113.A10 180.61,331.93 ; D104.A5 173.8,33.02 ; D104.A5 172.99,32.21 ; D104.A5 172.99,33.83 ; D104.A5 172.18,33.02 ; 40.1,375.92 D231.A7 ; D231.A7 40.91,376.73 ; D231.A7 40.91,375.11 ; D231.A7 41.72,375.92 ; 277.13,370.03 D111.B1 ; D111.B1 277.13,371.65 ; D111.B1 276.32,370.84 ; D111.B1 277.94,370.84 ; UHC230.G4_1 19.18,356.1 ; UHC230.G4_1 18.37,355.29 ; UHC230.G4_1 19.18,354.48 ; UHC230.G4_1 19.99,355.29 ; 185.69,387.81 D116.B8 ; D116.B8 186.5,388.62 ; D116.B8 184.88,388.62 ; D116.B8 185.69,389.43 ; D431.B12 28.21,379.27 ; D431.B12 28.21,377.65 ; D431.B12 27.4,378.46 ; D431.B12 29.02,378.46 ; DPS8.C15 21.4,410.21 ; DPS8.C15 19.78,410.21 ; DPS8.C15 20.59,409.4 ; DPS8.C15 20.59,411.02 ; 174.72,76.2 D102.A6 ; D102.A6 175.53,77.01 ; D102.A6 176.34,76.2 ; D102.A6 175.53,75.39 ; D427.A15 94.25,386.89 ; D427.A15 94.25,385.27 ; D427.A15 95.06,386.08 ; D427.A15 93.44,386.08 ; D119.B4 23.94,60.96 ; D119.B4 23.13,61.77 ; D119.B4 22.32,60.96 ; D119.B4 23.13,60.15 ; D114.B3 199.2,350.52 ; D114.B3 198.39,349.71 ; D114.B3 198.39,351.33 ; D114.B3 197.58,350.52 ; UHC430.G1_8 14.58,362.76 ; UHC430.G1_8 14.58,361.14 ; UHC430.G1_8 15.39,361.95 ; UHC430.G1_8 13.77,361.95 ; 14.7,381 D431.B17 ; D431.B17 15.51,380.19 ; D431.B17 15.51,381.81 ; D431.B17 16.32,381 ; D124.A13 119.65,33.83 ; D124.A13 120.46,33.02 ; D124.A13 118.84,33.02 ; D124.A13 119.65,32.21 ; 45.87,351.79 UHC230.G3 ; UHC230.G3 46.68,350.98 ; UHC230.G3 47.49,351.79 ; UHC230.G3 46.68,352.6 ; D232.B7 40.91,391.97 ; D232.B7 40.91,390.35 ; D232.B7 41.72,391.16 ; D232.B7 40.1,391.16 ; 172.99,93.17 D101.A5 ; D101.A5 172.18,93.98 ; D101.A5 172.99,94.79 ; D101.A5 173.8,93.98 ; 111.22,342.9 CSDPS425.B8 ; CSDPS425.B8 112.03,342.09 ; CSDPS425.B8 112.84,342.9 ; CSDPS425.B8 112.03,343.71 ; D124.A16 127.27,36.37 ; D124.A16 128.08,35.56 ; D124.A16 126.46,35.56 ; D124.A16 127.27,34.75 ; D119.B5 25.67,59.23 ; D119.B5 26.48,58.42 ; D119.B5 25.67,57.61 ; D119.B5 24.86,58.42 ; 122.19,100.79 D121.B14 ; D121.B14 123,101.6 ; D121.B14 122.19,102.41 ; D121.B14 121.38,101.6 ; 195.85,367.49 D115.B4 ; D115.B4 195.04,368.3 ; D115.B4 196.66,368.3 ; D115.B4 195.85,369.11 ; 37.56,393.7 D232.A8 ; D232.A8 38.37,392.89 ; D232.A8 39.18,393.7 ; D232.A8 38.37,394.51 ; D122.A2 92.52,76.2 ; D122.A2 91.71,77.01 ; D122.A2 90.9,76.2 ; D122.A2 91.71,75.39 ; 56.15,395.43 D232.A1 ; D232.A1 55.34,396.24 ; D232.A1 56.15,397.05 ; D232.A1 56.96,396.24 ; D104.A14 196.66,35.56 ; D104.A14 195.85,34.75 ; D104.A14 195.04,35.56 ; D104.A14 195.85,36.37 ; 18.37,365.45 UHC430.G1_1 ; UHC430.G1_1 19.18,364.64 ; UHC430.G1_1 19.99,365.45 ; UHC430.G1_1 19.18,366.26 ; D108.A14 269.51,36.37 ; D108.A14 270.32,35.56 ; D108.A14 268.7,35.56 ; D108.A14 269.51,34.75 ; CSDPS429.B16 18.05,343.71 ; CSDPS429.B16 17.24,342.9 ; CSDPS429.B16 18.86,342.9 ; CSDPS429.B16 18.05,342.09 ; 30.75,405.59 D432.A11 ; D432.A11 31.56,406.4 ; D432.A11 29.94,406.4 ; D432.A11 30.75,407.21 ; 264.43,80.47 D106.B12 ; D106.B12 265.24,81.28 ; D106.B12 264.43,82.09 ; D106.B12 263.62,81.28 ; 190.77,60.15 D103.B12 ; D103.B12 190.77,61.77 ; D103.B12 191.58,60.96 ; D103.B12 189.96,60.96 ; 109.49,37.29 D124.B9 ; D124.B9 109.49,38.91 ; D124.B9 110.3,38.1 ; D124.B9 108.68,38.1 ; 13.77,348.29 UHC230.G4_13 ; UHC230.G4_13 14.58,347.48 ; UHC230.G4_13 15.39,348.29 ; UHC230.G4_13 14.58,349.1 ; D105.B15 272.86,99.06 ; D105.B15 272.05,99.87 ; D105.B15 271.24,99.06 ; D105.B15 272.05,98.25 ; D114.B8 186.5,347.98 ; D114.B8 185.69,347.17 ; D114.B8 184.88,347.98 ; D114.B8 185.69,348.79 ; 172.99,37.29 D104.B5 ; D104.B5 172.99,38.91 ; D104.B5 172.18,38.1 ; D104.B5 173.8,38.1 ; CSDPS429.C7 40.91,341.17 ; CSDPS429.C7 40.1,340.36 ; CSDPS429.C7 41.72,340.36 ; CSDPS429.C7 40.91,339.55 ; D108.A15 272.86,33.02 ; D108.A15 272.05,32.21 ; D108.A15 271.24,33.02 ; D108.A15 272.05,33.83 ; UHC430.G2_12 47.49,358.45 ; UHC430.G2_12 45.87,358.45 ; UHC430.G2_12 46.68,357.64 ; UHC430.G2_12 46.68,359.26 ; 24.86,381 D431.B13 ; D431.B13 25.67,381.81 ; D431.B13 25.67,380.19 ; D431.B13 26.48,381 ; D432.A1 56.15,407.21 ; D432.A1 56.96,406.4 ; D432.A1 55.34,406.4 ; D432.A1 56.15,405.59 ; D104.A16 201.74,35.56 ; D104.A16 200.93,36.37 ; D104.A16 200.12,35.56 ; D104.A16 200.93,34.75 ; 16.88,357.64 UHC430.G1_12 ; UHC430.G1_12 16.07,358.45 ; UHC430.G1_12 17.69,358.45 ; UHC430.G1_12 16.88,359.26 ; CSDPS426.C7 115.38,360.68 ; CSDPS426.C7 114.57,359.87 ; CSDPS426.C7 113.76,360.68 ; CSDPS426.C7 114.57,361.49 ; 52.8,393.7 D232.A2 ; D232.A2 54.42,393.7 ; D232.A2 53.61,394.51 ; D232.A2 53.61,392.89 ; D114.A2 201.74,353.06 ; D114.A2 200.12,353.06 ; D114.A2 200.93,352.25 ; D114.A2 200.93,353.87 ; 129,350.52 CSDPS226.C1 ; CSDPS226.C1 129.81,351.33 ; CSDPS226.C1 129.81,349.71 ; CSDPS226.C1 130.62,350.52 ; 261.89,15.7 DPS1.B11 ; DPS1.B11 261.89,17.32 ; DPS1.B11 261.08,16.51 ; DPS1.B11 262.7,16.51 ; 28.21,55.07 D119.A6 ; D119.A6 29.02,55.88 ; D119.A6 27.4,55.88 ; D119.A6 28.21,56.69 ; D123.B12 117.92,60.96 ; D123.B12 117.11,60.15 ; D123.B12 117.11,61.77 ; D123.B12 116.3,60.96 ; D109.A13 247.46,335.28 ; D109.A13 246.65,334.47 ; D109.A13 246.65,336.09 ; D109.A13 245.84,335.28 ; D227.A15 95.06,375.92 ; D227.A15 94.25,375.11 ; D227.A15 94.25,376.73 ; D227.A15 93.44,375.92 ; 55.34,412.75 DPS8.B01 ; DPS8.B01 56.15,413.56 ; DPS8.B01 56.96,412.75 ; DPS8.B01 56.15,411.94 ; 113.76,93.98 D121.A11 ; D121.A11 114.57,93.17 ; D121.A11 114.57,94.79 ; D121.A11 115.38,93.98 ; 198.39,329.39 D113.B3 ; D113.B3 197.58,330.2 ; D113.B3 198.39,331.01 ; D113.B3 199.2,330.2 ; D110.B16 239.03,348.79 ; D110.B16 239.03,347.17 ; D110.B16 239.84,347.98 ; D110.B16 238.22,347.98 ; 27.4,403.86 D432.A12 ; D432.A12 28.21,403.05 ; D432.A12 28.21,404.67 ; D432.A12 29.02,403.86 ; D108.A9 257.62,33.02 ; D108.A9 256,33.02 ; D108.A9 256.81,32.21 ; D108.A9 256.81,33.83 ; 124.73,405.59 D428.A3 ; D428.A3 123.92,406.4 ; D428.A3 124.73,407.21 ; D428.A3 125.54,406.4 ; 243.3,96.52 D105.A4 ; D105.A4 244.11,97.33 ; D105.A4 244.11,95.71 ; D105.A4 244.92,96.52 ; D432.A7 41.72,406.4 ; D432.A7 40.91,407.21 ; D432.A7 40.1,406.4 ; D432.A7 40.91,405.59 ; 243.3,353.06 D110.A14 ; D110.A14 244.11,352.25 ; D110.A14 244.92,353.06 ; D110.A14 244.11,353.87 ; D102.A14 195.85,77.01 ; D102.A14 195.04,76.2 ; D102.A14 195.85,75.39 ; D102.A14 196.66,76.2 ; 268.7,327.66 D109.B4 ; D109.B4 269.51,326.85 ; D109.B4 269.51,328.47 ; D109.B4 270.32,327.66 ; 250.92,73.66 D106.A7 ; D106.A7 251.73,72.85 ; D106.A7 252.54,73.66 ; D106.A7 251.73,74.47 ; 108.68,386.08 D427.A9 ; D427.A9 109.49,386.89 ; D427.A9 110.3,386.08 ; D427.A9 109.49,385.27 ; D112.A14 244.11,394.51 ; D112.A14 244.92,393.7 ; D112.A14 243.3,393.7 ; D112.A14 244.11,392.89 ; D108.B1 236.49,38.91 ; D108.B1 236.49,37.29 ; D108.B1 237.3,38.1 ; D108.B1 235.68,38.1 ; CSDPS426.C11 104.41,361.49 ; CSDPS426.C11 103.6,360.68 ; CSDPS426.C11 105.22,360.68 ; CSDPS426.C11 104.41,359.87 ; 99.33,380.19 D427.B13 ; D427.B13 99.33,381.81 